# KiCad board element_foxtrot.kicad_pcb (continued)
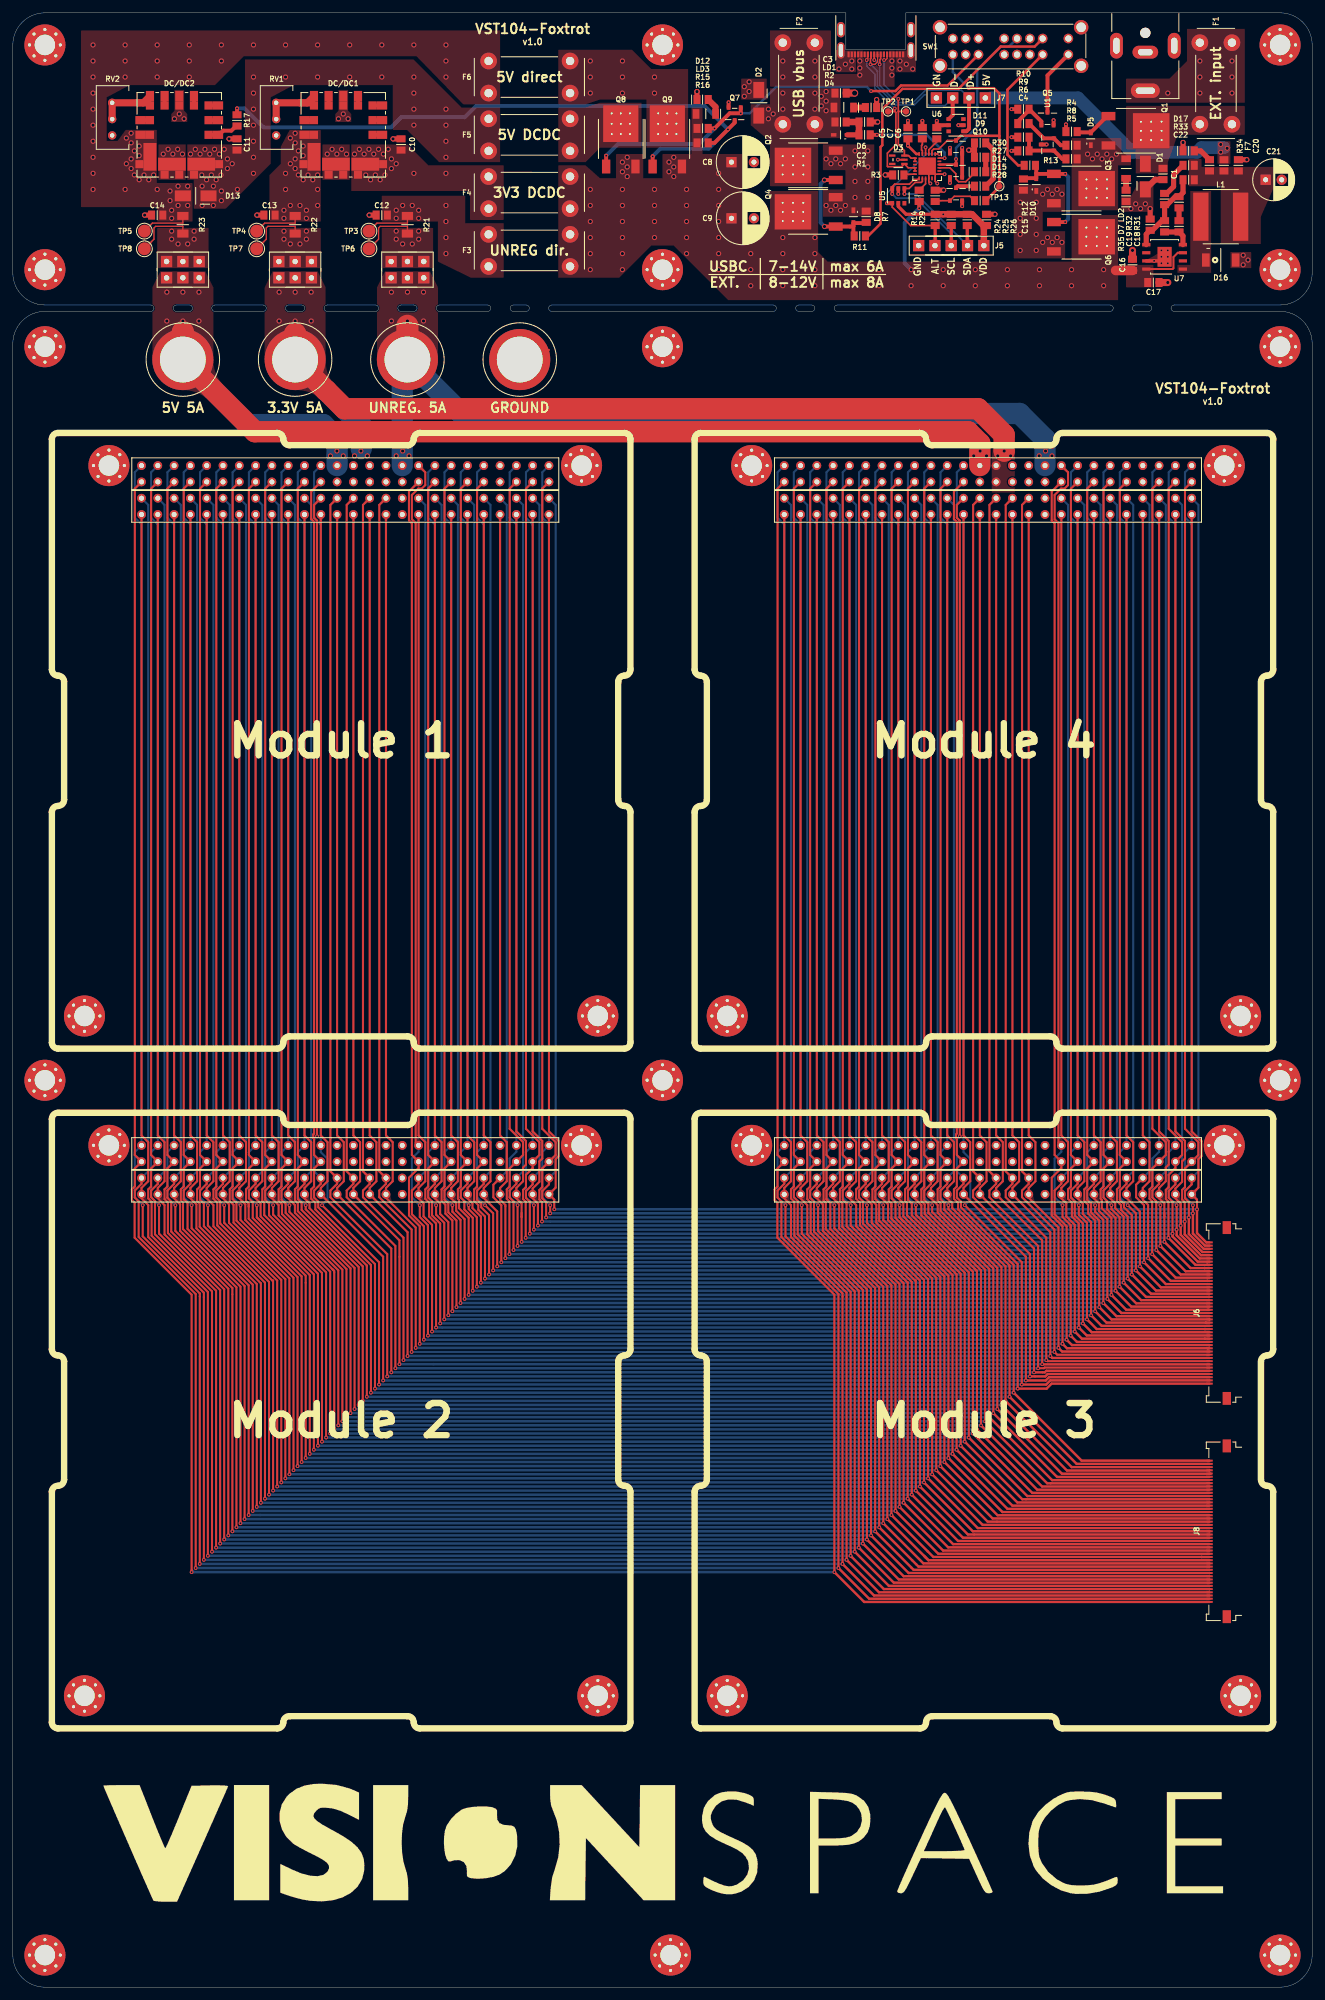
[diagram p0: board, top side]
## Nets (continued)
/H1-31: J6.11 Module 1.H1_31 Module 2.H1_31 Module 3.H1_31 Module 4.H1_31
/H1-32: J6.10 Module 1.H1_32 Module 2.H1_32 Module 3.H1_32 Module 4.H1_32
/H1-35: J6.15 Module 1.H1_35 Module 2.H1_35 Module 3.H1_35 Module 4.H1_35
/H1-36: J6.13 Module 1.H1_36 Module 2.H1_36 Module 3.H1_36 Module 4.H1_36
/H1-37: J6.19 Module 1.H1_37 Module 2.H1_37 Module 3.H1_37 Module 4.H1_37
/H1-38: J6.17 Module 1.H1_38 Module 2.H1_38 Module 3.H1_38 Module 4.H1_38
/H1-39: J6.23 Module 1.H1_39 Module 2.H1_39 Module 3.H1_39 Module 4.H1_39
/H1-40: J6.21 Module 1.H1_40 Module 2.H1_40 Module 3.H1_40 Module 4.H1_40
/H1-41: J6.27 Module 1.H1_41 Module 2.H1_41 Module 3.H1_41 Module 4.H1_41
/H1-42: J6.25 Module 1.H1_42 Module 2.H1_42 Module 3.H1_42 Module 4.H1_42
/H1-43: J6.31 Module 1.H1_43 Module 2.H1_43 Module 3.H1_43 Module 4.H1_43
/H1-44: J6.29 Module 1.H1_44 Module 2.H1_44 Module 3.H1_44 Module 4.H1_44
/H1-45: J6.33 Module 1.H1_45 Module 2.H1_45 Module 3.H1_45 Module 4.H1_45
/H1-46: J6.32 Module 1.H1_46 Module 2.H1_46 Module 3.H1_46 Module 4.H1_46
/H1-47: J6.37 Module 1.H1_47 Module 2.H1_47 Module 3.H1_47 Module 4.H1_47
/H1-48: J6.35 Module 1.H1_48 Module 2.H1_48 Module 3.H1_48 Module 4.H1_48
/H1-49: J6.41 Module 1.H1_49 Module 2.H1_49 Module 3.H1_49 Module 4.H1_49
/H1-50: J6.39 Module 1.H1_50 Module 2.H1_50 Module 3.H1_50 Module 4.H1_50
/H1-51: J6.45 Module 1.H1_51 Module 2.H1_51 Module 3.H1_51 Module 4.H1_51
/H1-52: J6.43 Module 1.H1_52 Module 2.H1_52 Module 3.H1_52 Module 4.H1_52
/H2-1: J8.1 Module 1.H2_1 Module 2.H2_1 Module 3.H2_1 Module 4.H2_1
/H2-2: J8.3 Module 1.H2_2 Module 2.H2_2 Module 3.H2_2 Module 4.H2_2
/H2-3: J8.5 Module 1.H2_3 Module 2.H2_3 Module 3.H2_3 Module 4.H2_3
/H2-4: J8.7 Module 1.H2_4 Module 2.H2_4 Module 3.H2_4 Module 4.H2_4
/H2-5: J8.9 Module 1.H2_5 Module 2.H2_5 Module 3.H2_5 Module 4.H2_5
/H2-6: J8.11 Module 1.H2_6 Module 2.H2_6 Module 3.H2_6 Module 4.H2_6
/H2-7: J8.13 Module 1.H2_7 Module 2.H2_7 Module 3.H2_7 Module 4.H2_7
/H2-8: J8.15 Module 1.H2_8 Module 2.H2_8 Module 3.H2_8 Module 4.H2_8
/H2-9: J8.17 Module 1.H2_9 Module 2.H2_9 Module 3.H2_9 Module 4.H2_9
/H2-10: J8.19 Module 1.H2_10 Module 2.H2_10 Module 3.H2_10 Module 4.H2_10
/H2-11: J8.21 Module 1.H2_11 Module 2.H2_11 Module 3.H2_11 Module 4.H2_11
/H2-12: J8.23 Module 1.H2_12 Module 2.H2_12 Module 3.H2_12 Module 4.H2_12
/H2-13: J8.25 Module 1.H2_13 Module 2.H2_13 Module 3.H2_13 Module 4.H2_13
/H2-14: J8.27 Module 1.H2_14 Module 2.H2_14 Module 3.H2_14 Module 4.H2_14
/H2-15: J8.29 Module 1.H2_15 Module 2.H2_15 Module 3.H2_15 Module 4.H2_15
/H2-16: J8.31 Module 1.H2_16 Module 2.H2_16 Module 3.H2_16 Module 4.H2_16
/H2-17: J8.33 Module 1.H2_17 Module 2.H2_17 Module 3.H2_17 Module 4.H2_17
/H2-18: J8.35 Module 1.H2_18 Module 2.H2_18 Module 3.H2_18 Module 4.H2_18
/H2-19: J8.37 Module 1.H2_19 Module 2.H2_19 Module 3.H2_19 Module 4.H2_19
/H2-20: J8.39 Module 1.H2_20 Module 2.H2_20 Module 3.H2_20 Module 4.H2_20
/H2-21: J8.41 Module 1.H2_21 Module 2.H2_21 Module 3.H2_21 Module 4.H2_21
/H2-22: J8.43 Module 1.H2_22 Module 2.H2_22 Module 3.H2_22 Module 4.H2_22
/H2-23: J8.45 Module 1.H2_23 Module 2.H2_23 Module 3.H2_23 Module 4.H2_23
/H2-24: J6.2 Module 1.H2_24 Module 2.H2_24 Module 3.H2_24 Module 4.H2_24
/H2-35: J6.12 Module 1.H2_35 Module 2.H2_35 Module 3.H2_35 Module 4.H2_35
/H2-36: J6.14 Module 1.H2_36 Module 2.H2_36 Module 3.H2_36 Module 4.H2_36
/H2-37: J6.16 Module 1.H2_37 Module 2.H2_37 Module 3.H2_37 Module 4.H2_37
/H2-38: J6.18 Module 1.H2_38 Module 2.H2_38 Module 3.H2_38 Module 4.H2_38
/H2-39: J6.20 Module 1.H2_39 Module 2.H2_39 Module 3.H2_39 Module 4.H2_39
/H2-40: J6.22 Module 1.H2_40 Module 2.H2_40 Module 3.H2_40 Module 4.H2_40
/H2-41: J6.24 Module 1.H2_41 Module 2.H2_41 Module 3.H2_41 Module 4.H2_41
/H2-42: J6.26 Module 1.H2_42 Module 2.H2_42 Module 3.H2_42 Module 4.H2_42
/H2-43: J6.28 Module 1.H2_43 Module 2.H2_43 Module 3.H2_43 Module 4.H2_43
/H2-44: J6.30 Module 1.H2_44 Module 2.H2_44 Module 3.H2_44 Module 4.H2_44
/H2-47: J6.34 Module 1.H2_47 Module 2.H2_47 Module 3.H2_47 Module 4.H2_47
/H2-48: J6.36 Module 1.H2_48 Module 2.H2_48 Module 3.H2_48 Module 4.H2_48
/H2-49: J6.38 Module 1.H2_49 Module 2.H2_49 Module 3.H2_49 Module 4.H2_49
/H2-50: J6.40 Module 1.H2_50 Module 2.H2_50 Module 3.H2_50 Module 4.H2_50
/H2-51: J6.42 Module 1.H2_51 Module 2.H2_51 Module 3.H2_51 Module 4.H2_51
/H2-52: J6.44 Module 1.H2_52 Module 2.H2_52 Module 3.H2_52 Module 4.H2_52
/PDO2: D11.3 R28.2 SW1.16 TP13.1 U2.20
/RST: R3.2 U2.6
/SCL: J5.3 R25.2 U2.7 U5.3
/SDA: J5.2 R26.2 U2.8 U5.1
/SUP_3V3: J3.2 J3.4 J3.6 Module 1.H2_27 Module 1.H2_28 Module 2.H2_27 Module 2.H2_28 Module 3.H2_27 Module 3.H2_28 Module 4.H2_27 Module 4.H2_28 TP11.1
/SUP_5V: J4.2 J4.4 J4.6 Module 1.H2_25 Module 1.H2_26 Module 2.H2_25 Module 2.H2_26 Module 3.H2_25 Module 3.H2_26 Module 4.H2_25 Module 4.H2_26 TP10.1
/SUP_BAT_1: Module 1.H2_45 Module 2.H2_45 Module 3.H2_45 Module 4.H2_45
/SUP_BAT_2: Module 1.H2_46 Module 2.H2_46 Module 3.H2_46 Module 4.H2_46
/SUP_UNREG: J2.2 J2.4 J2.6 Module 1.H2_33 Module 1.H2_34 Module 2.H2_33 Module 2.H2_34 Module 3.H2_33 Module 3.H2_34 Module 4.H2_33 Module 4.H2_34 TP9.1
/USB_N: J7.3 P1.A7 P1.B7 U6.1
/USB_P: J7.2 P1.A6 P1.B6 U6.4
/VOUT_3V3: C13.1 DC/DC1.4 DC/DC1.5 R22.2 TP4.1
/VOUT_5V: C14.1 D13.2 DC/DC2.4 DC/DC2.5 F6.1 R23.2 TP5.1
/VOUT_UNREG: C12.1 F3.1 R21.2 TP3.1
/VSINK: C8.1 C9.1 C16.1 C17.1 F3.2 F4.2 LD3.2 Q4.3 Q6.3 Q8.2 Q9.2 R14.2 R15.1 R16.1 U7.3 U7.8
Net-(C1-Pad2): C1.2 D1.2 F1.1 Q1.3
Net-(C2-Pad2): C2.2 D4.1 R1.1 R2.2
Net-(C4-Pad1): C4.1 R5.2 R6.1 U1.1
Net-(C5-Pad2): C5.2 D8.1 D9.2 D11.2 Q2.2 Q4.2 R7.1 U2.24
Net-(C6-Pad2): C6.2 U2.21
Net-(C7-Pad2): C7.2 U2.23
Net-(C10-Pad1): C10.1 DC/DC1.2 F4.1
Net-(C11-Pad1): C11.1 D13.1 DC/DC2.2 F5.1
Net-(C18-Pad1): C18.1 C19.1 U7.4
Net-(C18-Pad2): C18.2 R31.2
Net-(C19-Pad2): C19.2 R31.1 R32.1 R33.1 R35.2 U7.5
Net-(C20-Pad1): C20.1 C21.1 C22.1 F7.2 L1.2 R33.2 R34.1
Net-(C22-Pad2): C22.2 R32.2
Net-(D5-Pad1): D5.1 LD2.2 Q1.2 Q3.3 R5.1 R8.1
Net-(D5-Pad2): D5.2 Q1.1 R4.1
Net-(D6-Pad2): D6.2 LD1.1
Net-(D7-Pad2): D7.2 LD2.1
Net-(D8-Pad2): D8.2 Q2.1 Q4.1 R7.2 R11.1
Net-(D9-Pad3): D9.3 SW1.4 U2.16
Net-(D10-Pad1): D10.1 Q3.2 Q6.2 R12.1
Net-(D10-Pad2): D10.2 Q3.1 Q6.1 R12.2 R13.1
Net-(D12-Pad2): D12.2 LD3.1
Net-(D14-Pad2): D14.2 R27.2
Net-(D15-Pad1): D15.1 Q10.3
Net-(D15-Pad2): D15.2 R30.2
Net-(D16-Pad1): D16.1 L1.1 U7.1
Net-(D17-Pad2): D17.2 R34.2
Net-(DC/DC1-Pad1): DC/DC1.1
Net-(DC/DC1-Pad6): DC/DC1.6 RV1.2 RV1.3
Net-(DC/DC1-Pad8): DC/DC1.8
Net-(DC/DC1-Pad9): DC/DC1.9
Net-(DC/DC1-Pad10): DC/DC1.10
Net-(DC/DC1-Pad11): DC/DC1.11
Net-(DC/DC1-Pad12): DC/DC1.12
Net-(DC/DC2-Pad1): DC/DC2.1 R17.1
Net-(DC/DC2-Pad6): DC/DC2.6 RV2.2 RV2.3
Net-(DC/DC2-Pad8): DC/DC2.8
Net-(DC/DC2-Pad9): DC/DC2.9
Net-(DC/DC2-Pad10): DC/DC2.10
Net-(DC/DC2-Pad11): DC/DC2.11
Net-(DC/DC2-Pad12): DC/DC2.12
Net-(F1-Pad2): F1.2 J1.1
Net-(F2-Pad2): F2.2 P1.A4 P1.A9 P1.B4 P1.B9
Net-(F5-Pad2): F5.2 Q8.3
Net-(F6-Pad2): F6.2 Q9.3
Net-(H1-Pad1): H1.1
Net-(H2-Pad1): H2.1
Net-(H3-Pad1): H3.1
Net-(H4-Pad1): H4.1
Net-(H5-Pad1): H5.1
Net-(H6-Pad1): H6.1
Net-(H7-Pad1): H7.1
Net-(H8-Pad1): H8.1
Net-(H9-Pad1): H9.1
Net-(H10-Pad1): H10.1
Net-(H11-Pad1): H11.1
Net-(H12-Pad1): H12.1
Net-(H13-Pad1): H13.1
Net-(H14-Pad1): H14.1
Net-(H15-Pad1): H15.1
Net-(J2-Pad1): J2.1 J2.3 J2.5 R21.1 TP6.1
Net-(J3-Pad1): J3.1 J3.3 J3.5 R22.1 TP7.1
Net-(J4-Pad1): J4.1 J4.3 J4.5 R23.1 TP8.1
Net-(Module_1-PadMH1): Module 4.MH1
Net-(Module_1-PadMH2): Module 4.MH2
Net-(Module_1-PadMH3): Module 4.MH3
Net-(Module_1-PadMH4): Module 4.MH4
Net-(Module_2-PadMH1): Module 1.MH1
Net-(Module_2-PadMH2): Module 1.MH2
Net-(Module_2-PadMH3): Module 1.MH3
Net-(Module_2-PadMH4): Module 1.MH4
Net-(Module_3-PadMH1): Module 2.MH1
Net-(Module_3-PadMH2): Module 2.MH2
Net-(Module_3-PadMH3): Module 2.MH3
Net-(Module_3-PadMH4): Module 2.MH4
Net-(Module_4-PadMH1): Module 3.MH1
Net-(Module_4-PadMH2): Module 3.MH2
Net-(Module_4-PadMH3): Module 3.MH3
Net-(Module_4-PadMH4): Module 3.MH4
Net-(Q5-Pad1): Q5.1 R9.2 R10.1
Net-(Q5-Pad3): Q5.3 SW1.9
Net-(Q7-Pad1): Q7.1 Q8.1 R15.2 SW1.14
Net-(Q7-Pad3): Q7.3 Q9.1 R16.2 R17.2
Net-(Q10-Pad1): Q10.1 R28.1 R29.1
Net-(R1-Pad2): R1.2 U2.18
Net-(R8-Pad2): R8.2 R9.1 U1.2
Net-(R11-Pad2): R11.2 SW1.2
Net-(R13-Pad2): R13.2 SW1.10
Net-(R14-Pad1): R14.1 U2.9

Pads without a net: D3 4 5; J6 MP; J8 MP; P1 A8 B8; SW1 1 3 5 6 7 8 11 12 MP; U2 3 11 14 17; U5 6; U6 3 6; U7 2 6

## Via types
v1: diameter 0.6, hole 0.3, Top to Bottom, 277 vias
v2: diameter 0.8, hole 0.5, Top to Bottom, 419 vias
v3: diameter 1.1, hole 0.8, Top to Bottom, 1 via

## Routing (per net, layer and track width the routed paths; a pad name or vN(x,y) marks a point on that pad's centre or on a via; arc(x,y) is an arc through that point)
+5V: length 57.2
  Top w0.6: U6.5 v1(147.36,290)
  Top w0.8: R27.1 149.88,286.15 ; 149.88,286.15 R30.1 ; 149.88,286.15 149.84,286.12 v2(148.98,286.12)
  In1.Cu w0.6: 149.07,290 v1(147.36,290) 148.73,290
  In1.Cu w0.8: v2(148.98,286.12) 148.98,290.25 151.56,292.83 J7.1
  Bottom w1.5: J7.1 152.45,294.25
  Bottom w2: 152.45,294.25 166,294.25 174.47,285.78 184.53,285.78 185.25,286.5 188.75,286.5
  vias: v2(188.25,287) v2(188.25,285.8) v2(189.25,286.4)
GND: length 65.5
  Top w0.25: 143.75,282.37 U2.13 v1(145.21,282.37) ; 143.75,282.37 U2.12 143.75,281.25 v1(144.07,280.93) ; 143.75,282.37 U2.25 142.75,283.37 U2.10 142.75,281.18 v1(143,280.93)
  Top w0.3: v1(137.94,284.63) 137.95,284.62 D3.2
  Top w0.323: 81,255 79.96,253.96 ; 83.55,255 82.5,253.96 ; 79.51,256.05 81,257.54 79.51,256.05 ; 78.47,257.54 76.97,256.05 78.47,257.54
  Top w0.396: U7.7 v1(177.87,268.87) 178.63,268.87 v1(179,268.5)
  Top w0.5: U7.25 178.87,268.87 U7.7 ; U5.2 v1(138,279.29)
  Top w0.6: U6.2 144.38,290 C6.1 v1(144,290.68) ; v1(164.13,290.13) 164.13,289 R4.2 ; v1(155.64,288.13) R6.2 ; R10.2 v1(155.64,292.5) ; Q5.2 v1(162.2,290.78) ; D9.1 v1(146.05,281.01) ; U1.3 v1(161.11,287) ; C7.1 v1(141.75,290.68) ; Q7.2 v1(111.55,293.56) ; D11.1 v1(146.05,286.48) ; v1(155.64,286.01) 156.62,286.01 C4.2 ; C5.1 v1(139.5,290.69) ; 106.63,294 D12.1 ; v1(147.95,277.39) Q10.2
  Top w0.8: v2(33.7,287.87) 34.94,287.87 C11.2 ; R35.1 v2(177.25,277) ; v2(145.06,279.88) 143.75,279.88 R29.2 ; v2(59.26,287.87) 60.5,287.87 C10.2 ; D12.1 106.62,295.24 v2(106.63,295.24) ; C15.2 151.75,276.13 v2(153.06,276.13) ; C13.2 v2(38.04,276) ; v2(135.96,282.26) 137.12,282.26 R3.1 ; C12.2 v2(55.54,276) ; v2(20.54,276) C14.2 ; D17.1 182.38,286 v2(182.38,287.31) ; v2(134.78,290.5) C2.1 ; v2(192.31,284.63) 191,284.63 C20.2 ; v2(134.62,293.99) 134.62,292.75 D6.1
  Top w0.92: 179,281.52 178.03,281.52 D1.1
  Top w1.1: C16.2 v2(174.5,270.5) ; C17.2 v2(180,265.5) ; v3(131.19,295) C3.1
  vias: v1(179,270.5) v1(179,269.5) v1(180,270.5) v1(180,269.5) v1(180,268.5) v2(23.44,285.5) v2(24.19,286.25) v2(24.94,285.5) v2(25.19,291) v2(25.69,286.25) v2(25.94,291.75) v2(26.44,285.5) v2(26.69,291) v2(49,285.5) v2(49.75,286.25) v2(50.5,285.5) v2(50.75,291) v2(51.25,286.25) v2(51.5,291.75) v2(52,285.5) v2(52.25,291) v2(114,296) v2(114,294.5) v2(114.75,296.75) v2(114.75,295.25) v2(128.75,298.75) v2(129.75,299.5) v2(130.75,300) v2(130.75,298.75) v2(138.25,300) v2(138.25,298.75) v2(139.25,299.5) v2(140.25,298.75) v2(174.25,277) v2(175,277.75) v2(175.75,277) v2(176.5,277.75) v2(191.75,269.75) v2(191.75,268.25) v2(192.5,269)
VBUS:
  vias: v2(117.75,292.5) v2(117.75,291) v2(118.5,291.75) v2(120,295) v2(120,292.5) v2(125,295) v2(125,292.5) v2(126,294.5) v2(126,293) v2(126.75,295.25) v2(126.75,293.75) v2(126.75,292.25)
VDD: length 31.4
  Top w0.25: U2.22 v1(142.25,286.55)
  Top w0.5: U5.5 138,277.34 139.21,276.12 R24.1
  Top w1: R24.1 v1(145,276.12) R25.1 R26.1 149.51,276.12 151.26,274.38 C15.1 151.33,273.95 J5.1
  In1.Cu w0.6: v1(142.25,286.55) 142.17,286.47 142.17,278.96 v1(145,276.12)
/ALTER: length 25.3
  Top w0.25: U2.19 v1(144.38,285.52) ; R24.2 139.93,274.38 137.05,277.25 U5.4
  Top w0.5: R24.2 143.75,271.29 J5.4
  Top w0.6: U5.4 v1(136.24,277.85)
  Bottom w0.25: v1(144.38,285.52) 142.35,285.52 136.24,279.41 v1(136.24,277.85)
/CC1: length 20.9
  Top w0.2: v1(135.78,300.15) 136.02,300.15 136.25,300.38 P1.A5
  Top w0.25: TP1.1 138,292.15 ; 138,292.15 v1(138,294.09) ; 138,292.15 138,286.98 138.95,286.03 D3.3 139.59,285.27 139.99,284.87 U2.1 U2.2
  Bottom w0.25: v1(135.78,300.15) 135.78,296.31 v1(138,294.09)
/CC2: length 26.8
  Top w0.2: v1(133.07,300.15) 133.25,300.33 P1.B5
  Top w0.25: 137.45,292.16 137.62,291.98 137.62,286.97 136.3,285.65 136.3,283.59 136.35,283.54 138.52,283.54 D3.1 139.55,283.37 U2.4 U2.5 ; 137.45,292.16 137.44,292.15 TP2.1 137,292.15 ; 137.45,292.16 v1(137.45,292.6)
  Bottom w0.25: v1(133.07,300.15) 133.07,299.24 134.35,297.97 134.35,295.7 v1(137.45,292.6)
/GPIO: length 7.6
  Top w0.25: U2.15 146.04,283.37 146.96,282.45 146.96,281.64 147.41,281.19 148.51,281.19 149.88,282.56 D14.1
/H1-1: length 493
  Top w0.323: 120.22,229.37 120.22,132.65 121.27,131.61 121.27,125.52 120.22,124.48 Module 3.H1_1 ; 120.22,122.86 121.27,121.81 121.27,116.83 129.94,108.16 v1(129.94,66.55) ; Module 2.H1_1 20.05,124.48 21.1,125.52 21.1,131.61 20.05,132.65 20.05,229.37 ; v1(29.77,66.55) 29.77,108.16 21.1,116.83 21.1,121.81 20.05,122.86
  Top w0.37: v1(129.94,66.55) 134.99,61.5 J8.4
  Bottom w0.396: v1(129.94,66.55) v1(29.77,66.55)
/H1-2: length 503.7
  Top w0.323: Module 3.H1_2 120.22,125.12 119.18,124.07 119.18,122.98 119.78,122.38 119.78,116.84 128.67,107.95 v1(128.67,65.28) ; Module 2.H1_2 20.05,125.12 19.01,124.07 19.01,122.98 19.61,122.38 19.61,116.84 28.5,107.95 v1(28.5,65.28)
  Top w0.37: v1(128.67,65.28) 133.45,60.5 J8.2
  Bottom w0.323: Module 2.H1_2 21.1,127.07 21.1,230.86 Module 1.H1_2 ; Module 4.H1_2 121.27,230.86 121.27,127.07 Module 3.H1_2
  Bottom w0.396: v1(128.67,65.28) v1(28.5,65.28)
/H1-3: length 485.6
  Top w0.323: v1(32.31,69.09) 32.31,108.58 23.64,117.24 23.64,121.81 22.59,122.86 ; 122.76,122.86 123.81,121.81 123.81,117.24 132.48,108.58 v1(132.48,69.09) ; 122.76,229.37 122.76,132.65 123.81,131.61 123.81,125.52 122.76,124.48 Module 3.H1_3 ; 22.59,229.37 22.59,132.65 23.64,131.61 23.64,125.52 22.59,124.48 Module 2.H1_3
  Top w0.37: v1(132.48,69.09) 138.07,63.5 J8.8
  Bottom w0.396: v1(132.48,69.09) v1(32.31,69.09)
/H1-4: length 496.3
  Top w0.323: v1(131.21,67.82) 131.21,108.37 122.32,117.26 122.32,122.43 121.72,123.03 121.72,124.07 122.76,125.12 Module 3.H1_4 ; Module 2.H1_4 22.59,125.12 21.55,124.07 21.55,123.03 22.15,122.43 22.15,117.26 31.04,108.37 v1(31.04,67.82)
  Top w0.37: v1(131.21,67.82) 136.53,62.5 J8.6
  Bottom w0.323: Module 2.H1_4 23.64,127.07 23.64,230.86 Module 1.H1_4 ; Module 4.H1_4 123.81,230.86 123.81,127.07 Module 3.H1_4
  Bottom w0.396: v1(131.21,67.82) v1(31.04,67.82)
/H1-5: length 478.2
  Top w0.323: v1(34.85,71.63) 34.85,109 26.07,117.78 26.07,121.92 25.13,122.86 ; 125.31,122.86 126.24,121.92 126.24,117.78 135.02,109 v1(135.02,71.63) ; 125.31,229.37 125.31,132.65 126.35,131.61 126.35,125.52 125.31,124.48 Module 3.H1_5 ; 25.13,229.37 25.13,132.65 26.18,131.61 26.18,125.52 25.13,124.48 Module 2.H1_5
  Top w0.37: v1(135.02,71.63) 141.15,65.5 J8.12
  Bottom w0.396: v1(135.02,71.63) v1(34.85,71.63)
/H1-6: length 488.9
  Top w0.323: Module 3.H1_6 125.31,125.12 124.26,124.07 124.26,122.93 124.86,122.33 124.86,117.68 133.75,108.79 v1(133.75,70.36) ; v1(33.58,70.36) 33.58,108.79 24.69,117.68 24.69,122.33 24.09,122.93 24.09,124.07 25.13,125.12 Module 2.H1_6
  Top w0.37: v1(133.75,70.36) 139.61,64.5 186.5,64.5 J8.10
  Bottom w0.323: Module 2.H1_6 26.18,127.07 26.18,230.86 Module 1.H1_6 ; Module 4.H1_6 126.35,230.86 126.35,127.07 Module 3.H1_6
  Bottom w0.396: v1(33.58,70.36) v1(133.75,70.36)
/H1-7: length 470.8
  Top w0.323: 27.67,122.86 28.61,121.92 28.61,118.19 37.39,109.42 v1(37.39,74.17) ; v1(137.56,74.17) 137.56,109.42 128.78,118.19 128.78,121.92 127.84,122.86 ; 127.84,229.37 127.84,132.65 128.89,131.61 128.89,125.52 127.84,124.48 Module 3.H1_7 ; Module 2.H1_7 27.67,124.48 28.72,125.52 28.72,131.61 27.67,132.65 27.67,229.37
  Top w0.37: v1(137.56,74.17) 144.23,67.5 J8.16
  Bottom w0.396: v1(137.56,74.17) v1(37.39,74.17)
/H1-8: length 483.1
  Top w0.323: 26.86,122.5 27.23,122.13 27.23,118.1 36.12,109.21 v1(36.12,72.9) ; 26.86,122.5 26.63,122.73 ; 26.86,122.5 26.63,122.73 26.63,124.07 27.67,125.12 Module 2.H1_8 ; v1(136.29,72.9) 136.29,109.21 127.4,118.1 127.4,122.13 127.03,122.5 ; 126.8,122.73 127.03,122.5 ; 127.03,122.5 126.8,122.73 126.8,124.07 127.84,125.12 Module 3.H1_8
  Top w0.37: 142.69,66.5 142.04,67.15 ; 142.69,66.5 142.04,67.15 ; 142.69,66.5 J8.14 ; v1(136.29,72.9) 142.04,67.15
  Bottom w0.323: Module 2.H1_8 28.72,127.07 28.72,230.86 Module 1.H1_8 ; Module 4.H1_8 128.89,230.86 128.89,127.07 Module 3.H1_8
  Bottom w0.396: v1(136.29,72.9) v1(36.12,72.9)
/H1-9: length 463.4
  Top w0.323: v1(39.93,76.71) 39.93,109.84 31.26,118.51 31.26,121.81 30.22,122.86 ; 130.38,122.86 131.43,121.81 131.43,118.51 140.1,109.84 v1(140.1,76.71) ; 130.38,229.37 130.38,132.65 131.43,131.61 131.43,125.52 130.38,124.48 Module 3.H1_9 ; Module 2.H1_9 30.22,124.48 31.26,125.52 31.26,131.61 30.22,132.65 30.22,229.37
  Top w0.37: v1(140.1,76.71) 147.31,69.5 J8.20
  Bottom w0.396: v1(140.1,76.71) v1(39.93,76.71)
/H1-10: length 474.1
  Top w0.323: Module 3.H1_10 130.38,125.12 129.34,124.07 129.34,122.63 129.94,122.03 129.94,118.52 138.83,109.63 v1(138.83,75.44) ; Module 2.H1_10 30.22,125.12 29.17,124.07 29.17,122.63 29.77,122.03 29.77,118.52 38.66,109.63 v1(38.66,75.44)
  Top w0.37: J8.18 145.77,68.5 v1(138.83,75.44)
  Bottom w0.323: Module 1.H1_10 31.26,230.86 31.26,127.07 Module 2.H1_10 ; Module 3.H1_10 131.43,127.07 131.43,230.86 Module 4.H1_10
  Bottom w0.396: v1(138.83,75.44) v1(38.66,75.44)
/H1-11: length 456
  Top w0.323: 32.76,122.86 33.69,121.92 33.69,119.04 42.47,110.26 v1(42.47,79.25) ; v1(142.64,79.25) 142.64,110.26 133.86,119.04 133.86,121.92 132.93,122.86 ; 132.93,229.37 132.93,132.65 133.97,131.61 133.97,125.52 132.93,124.48 Module 3.H1_11 ; 32.76,229.37 32.76,132.65 33.8,131.61 33.8,125.52 32.76,124.48 Module 2.H1_11
  Top w0.37: v1(142.64,79.25) 150.39,71.5 J8.24
  Bottom w0.396: v1(142.64,79.25) v1(42.47,79.25)
/H1-12: length 467.3
  Top w0.323: v1(141.37,77.98) 141.37,110.05 132.48,118.94 132.48,122.38 131.88,122.98 131.88,124.07 132.93,125.12 Module 3.H1_12 ; v1(41.2,77.98) 41.2,110.05 32.31,118.94 32.31,122.38 31.71,122.98 31.71,124.07 32.76,125.12 Module 2.H1_12
  Top w0.37: J8.22 148.85,70.5 v1(141.37,77.98)
  Top w0.396: 132.93,125.41 Module 3.H1_12
  Bottom w0.323: Module 2.H1_12 33.8,127.07 33.8,230.86 Module 1.H1_12 ; Module 4.H1_12 133.97,230.86 133.97,127.07 Module 3.H1_12
  Bottom w0.396: v1(141.37,77.98) v1(41.2,77.98)
/H1-13: length 448.6
  Top w0.323: 35.3,122.86 36.23,121.92 36.23,119.48 45.01,110.7 v1(45.01,81.79) ; v1(145.18,81.79) 145.18,110.7 136.4,119.48 136.4,121.92 135.47,122.86 ; 135.47,229.37 135.47,132.65 136.51,131.61 136.51,125.52 135.47,124.48 Module 3.H1_13 ; 35.3,229.37 35.3,132.65 36.34,131.61 36.34,125.52 35.3,124.48 Module 2.H1_13
  Top w0.37: v1(145.18,81.79) 153.47,73.5 J8.28
  Bottom w0.396: v1(45.01,81.79) v1(145.18,81.79)
/H1-14: length 459.3
  Top w0.323: v1(143.91,80.52) 143.91,110.49 135.02,119.38 135.02,122.14 134.42,122.74 134.42,124.07 135.47,125.12 Module 3.H1_14 ; Module 2.H1_14 35.3,125.12 34.25,124.07 34.25,122.74 34.85,122.14 34.85,119.38 43.74,110.49 v1(43.74,80.52)
  Top w0.37: v1(143.91,80.52) 151.93,72.5 J8.26
  Bottom w0.323: Module 2.H1_14 36.34,127.07 36.34,230.86 Module 1.H1_14 ; Module 4.H1_14 136.51,230.86 136.51,127.07 Module 3.H1_14
  Bottom w0.396: v1(143.91,80.52) v1(43.74,80.52)
/H1-15: length 441.2
  Top w0.323: 37.84,122.86 38.61,122.08 38.61,120.06 47.55,111.12 v1(47.55,84.33) ; v1(147.72,84.33) 147.72,111.12 138.78,120.06 138.78,122.08 138,122.86 ; 138,229.37 138,132.65 139.05,131.61 139.05,125.52 138,124.48 Module 3.H1_15 ; 37.84,229.37 37.84,132.65 38.88,131.61 38.88,125.52 37.84,124.48 Module 2.H1_15
  Top w0.37: 186.5,75.49 156.56,75.49 v1(147.72,84.33)
  Bottom w0.396: v1(147.72,84.33) v1(47.55,84.33)
/H1-16: length 451.9
  Top w0.323: Module 3.H1_16 138,125.12 136.96,124.07 136.96,122.85 137.56,122.25 137.56,119.8 146.45,110.91 v1(146.45,83.06) ; v1(46.28,83.06) 46.28,110.91 37.39,119.8 37.39,122.25 36.79,122.85 36.79,124.07 37.84,125.12 Module 2.H1_16
  Top w0.37: 186.5,74.5 155.01,74.5 v1(146.45,83.06)
  Bottom w0.323: Module 1.H1_16 38.88,230.86 38.88,127.07 Module 2.H1_16 ; Module 3.H1_16 139.05,127.07 139.05,230.86 Module 4.H1_16
  Bottom w0.396: v1(146.45,83.06) v1(46.28,83.06)
/H1-17: length 434.3
  Top w0.323: 40.38,122.86 41.42,121.81 41.42,120.2 49.83,111.79 ; 140.54,122.86 141.59,121.81 141.59,120.2 150,111.79 ; v1(150.26,86.87) 150.26,111.54 150,111.79 ; 150,111.79 150.16,111.63 ; Module 3.H1_17 140.54,124.48 141.59,125.52 141.59,131.61 140.54,132.65 140.54,229.37 ; Module 2.H1_17 40.38,124.48 41.42,125.52 41.42,131.61 40.38,132.65 40.38,229.37 ; 49.83,111.79 49.99,111.63 ; 49.83,111.79 50.09,111.54 v1(50.09,86.87)
  Top w0.37: v1(150.26,86.87) 159.65,77.48 186.5,77.48
  Bottom w0.396: v1(150.26,86.87) v1(50.09,86.87)
/H1-18: length 444.5
  Top w0.323: Module 3.H1_18 140.54,125.12 139.5,124.07 139.5,122.63 140.1,122.03 140.1,120.22 148.99,111.33 v1(148.99,85.6) ; Module 2.H1_18 40.38,125.12 39.33,124.07 39.33,122.63 39.93,122.03 39.93,120.22 48.82,111.33 v1(48.82,85.6)
  Top w0.37: 186.5,76.49 158.1,76.49 v1(148.99,85.6)
  Bottom w0.323: Module 2.H1_18 41.42,127.07 41.42,230.86 Module 1.H1_18 ; Module 4.H1_18 141.59,230.86 141.59,127.07 Module 3.H1_18
  Bottom w0.396: v1(148.99,85.6) v1(48.82,85.6)
/H1-19: length 426.4
  Top w0.323: 42.92,122.86 43.96,121.81 43.96,120.62 52.63,111.96 v1(52.63,89.41) ; v1(152.8,89.41) 152.8,111.96 144.13,120.62 144.13,121.81 143.09,122.86 ; Module 3.H1_19 143.09,124.48 144.13,125.52 144.13,131.61 143.09,132.65 143.09,229.37 ; 42.92,123.49 42.92,124.48 43.96,125.52 43.96,131.61 42.92,132.65 42.92,229.37
  Top w0.37: 186.5,79.47 162.74,79.47 v1(152.8,89.41)
  Bottom w0.396: v1(152.8,89.41) v1(52.63,89.41)
/H1-20: length 437.1
  Top w0.323: Module 3.H1_20 143.09,125.12 142.04,124.07 142.04,122.63 142.69,121.99 142.69,120.59 151.53,111.75 v1(151.53,88.14) ; 42.92,126.03 42.92,125.12 41.87,124.07 41.87,122.63 42.52,121.99 42.52,120.59 51.36,111.75 v1(51.36,88.14)
  Top w0.37: v1(151.53,88.14) 161.2,78.47 186.5,78.47
  Bottom w0.323: 42.92,126.03 43.96,127.07 43.96,230.86 42.92,231.91 ; Module 4.H1_20 144.13,230.86 144.13,127.07 Module 3.H1_20
  Bottom w0.396: v1(151.53,88.14) v1(51.36,88.14)
/H1-21: length 420.3
  Top w0.323: 145.62,229.37 145.62,132.65 146.67,131.61 146.67,125.52 145.62,124.48 Module 3.H1_21 145.62,122.86 146.4,122.08 146.4,121.34 155.34,112.4 v1(155.34,91.95) ; 45.45,229.37 45.45,132.65 46.5,131.61 46.5,125.52 45.45,124.48 Module 2.H1_21 45.45,122.86 46.23,122.08 46.23,121.34 55.17,112.4 v1(55.17,91.95)
  Top w0.37: J8.44 165.79,81.5 v1(155.34,91.95)
  Bottom w0.396: v1(155.34,91.95) v1(55.17,91.95)
/H1-22: length 429.8
  Top w0.323: v1(154.07,90.68) 154.07,112.17 145.18,121.06 145.18,122.14 144.58,122.74 144.58,124.07 145.62,125.12 Module 3.H1_22 ; Module 2.H1_22 45.45,125.12 44.41,124.07 44.41,122.74 45.01,122.14 45.01,121.06 53.9,112.17 v1(53.9,90.68)
  Top w0.37: J8.42 186.46,80.46 164.29,80.46 v1(154.07,90.68)
  Bottom w0.323: Module 2.H1_22 46.5,127.07 46.5,230.86 Module 1.H1_22 ; Module 4.H1_22 146.67,230.86 146.67,127.07 Module 3.H1_22
  Bottom w0.396: v1(154.07,90.68) v1(53.9,90.68)
/H1-23: length 408.5
  Top w0.323: v1(57.71,94.49) 57.71,113.77 Module 2.H1_23 48,124.48 49.04,125.52 49.04,131.61 48,132.65 48,229.37 ; v1(157.88,94.49) 157.88,113.77 Module 3.H1_23 148.16,124.48 149.21,125.52 149.21,131.61 148.16,132.65 148.16,229.37
  Top w0.37: J6.3 161.49,95 160.98,94.49 v1(157.88,94.49)
  Bottom w0.396: v1(157.88,94.49) v1(57.71,94.49)
/H1-24: length 419
  Top w0.323: v1(47.41,132.53) 47.41,228.41 46.95,228.86 46.95,230.86 Module 1.H1_24 ; Module 3.H1_24 148.16,125.12 147.12,124.07 147.12,122.98 147.77,122.34 147.77,121.46 156.61,112.61 v1(156.61,93.22) ; Module 4.H1_24 147.12,230.86 147.12,228.86 147.58,228.41 v1(147.58,132.53) ; Module 2.H1_24 48,125.12 46.95,124.07 46.95,122.98 47.6,122.34 47.6,121.46 56.44,112.61 v1(56.44,93.22)
  Top w0.37: v1(156.61,93.22) 161.11,93.22 161.89,94 J6.1
  Bottom w0.323: v1(47.41,132.53) 46.95,132.07 46.95,127.07 Module 2.H1_24 ; Module 3.H1_24 147.12,127.07 147.12,132.07 v1(147.58,132.53)
  Bottom w0.396: v1(156.61,93.22) v1(56.44,93.22)
/H1-25: length 403.6
  Top w0.323: v1(58.98,95.76) 58.98,115.04 Module 2.H1_25 50.53,124.48 51.58,125.52 51.58,131.61 50.53,132.65 50.53,229.37 ; v1(159.15,95.76) 159.15,115.04 Module 3.H1_25 150.71,124.48 151.75,125.52 151.75,131.61 150.71,132.65 150.71,229.37
  Top w0.37: v1(159.15,95.76) 160.84,95.76 161.08,96 J6.5
  Bottom w0.396: v1(159.15,95.76) v1(58.98,95.76)
/H1-26: length 411.8
  Top w0.323: Module 1.H1_26 49.49,230.86 49.49,127.07 Module 2.H1_26 50.53,125.12 49.49,124.07 49.49,123.03 58.34,114.18 v1(58.34,95.12) ; v1(158.51,95.12) 158.51,114.18 149.66,123.03 149.66,124.07 150.71,125.12 Module 3.H1_26 149.66,127.07 149.66,230.86 Module 4.H1_26
  Top w0.37: v1(158.51,95.12) 160.91,95.12 161.28,95.5 J6.4
  Bottom w0.396: v1(58.34,95.12) v1(158.51,95.12)
/H1-27: length 398.7
  Top w0.323: v1(60.25,97.03) 60.25,116.31 Module 2.H1_27 53.08,124.48 54.12,125.52 54.12,131.61 53.08,132.65 53.08,229.37 ; v1(160.42,97.03) 160.42,116.31 Module 3.H1_27 153.25,124.48 154.29,125.52 154.29,131.61 153.25,132.65 153.25,229.37
  Top w0.37: 160.45,97 v1(160.42,97.03) 160.45,97 ; 160.45,97 J6.7 ; 60.28,97 v1(60.25,97.03)
  Bottom w0.396: v1(160.42,97.03) v1(60.25,97.03)
/H1-28: length 406.8
  Top w0.323: Module 1.H1_28 52.03,230.86 52.03,127.07 Module 2.H1_28 53.08,125.12 52.03,124.07 52.03,123.03 59.61,115.44 v1(59.61,96.4) ; J6.6 160.8,96.5 160.69,96.4 v1(159.78,96.4) 159.78,115.44 152.2,123.03 152.2,124.07 153.25,125.12 Module 3.H1_28 152.2,127.07 152.2,230.86 Module 4.H1_28
  Bottom w0.396: v1(159.78,96.4) v1(59.61,96.4)
/H1-29: length 393.9
  Top w0.323: v1(61.52,98.3) 61.52,117.58 Module 2.H1_29 55.61,124.48 56.66,125.52 56.66,131.61 55.61,132.65 55.61,229.37 ; v1(161.69,98.3) 161.69,117.58 Module 3.H1_29 155.78,124.48 156.83,125.52 156.83,131.61 155.78,132.65 155.78,229.37
  Top w0.37: v1(161.69,98.3) 161.99,98 J6.9
  Bottom w0.396: v1(161.69,98.3) v1(61.52,98.3)
/H1-30: length 402
  Top w0.323: Module 1.H1_30 54.57,230.86 54.57,127.07 Module 2.H1_30 55.61,125.12 54.57,124.07 54.57,123.04 60.89,116.72 v1(60.89,97.66) ; J6.8 161.22,97.5 v1(161.06,97.66) 161.06,116.72 154.74,123.04 154.74,124.07 155.78,125.12 Module 3.H1_30 154.74,127.07 154.74,230.86 Module 4.H1_30
  Bottom w0.396: v1(60.89,97.66) v1(161.06,97.66)
/H1-31: length 388
  Top w0.323: 58.16,122.94 62.79,118.31 v1(62.79,99.57) ; v1(162.96,99.57) 162.96,118.31 158.32,122.94 ; Module 3.H1_31 158.32,124.48 159.37,125.52 159.37,131.61 158.32,132.65 158.32,229.37 ; Module 2.H1_31 58.16,124.48 59.2,125.52 59.2,131.61 58.16,132.65 58.16,229.37
  Top w0.37: J6.11 163.53,99 v1(162.96,99.57)
  Bottom w0.396: v1(62.79,99.57) v1(162.96,99.57)
/H1-32: length 397.2
  Top w0.323: Module 1.H1_32 57.11,230.86 57.11,127.07 Module 2.H1_32 58.16,125.12 57.11,124.07 57.11,123.04 62.16,117.99 v1(62.16,98.94) ; J6.10 162.76,98.5 v1(162.32,98.94) 162.32,117.99 157.28,123.04 157.28,124.07 158.32,125.12 Module 3.H1_32 157.28,127.07 157.28,230.86 Module 4.H1_32
  Bottom w0.323: v1(62.16,98.94) v1(162.32,98.94)
/H1-35: length 379.6
  Top w0.323: 163.41,229.37 163.41,132.65 164.45,131.61 164.45,125.52 163.41,124.48 Module 3.H1_35 163.41,122.86 164.18,122.08 164.18,120.05 165.5,118.73 v1(165.5,102.11) ; v1(65.33,102.11) 65.33,118.73 64.01,120.05 64.01,122.08 63.23,122.86 Module 2.H1_35 63.23,124.48 64.28,125.52 64.28,131.61 63.23,132.65 63.23,229.37
  Top w0.37: J6.15 185.79,101 185.79,101 166.61,101 v1(165.5,102.11)
  Bottom w0.396: v1(65.33,102.11) v1(165.5,102.11)
/H1-36: length 389.1
  Top w0.323: v1(164.23,100.84) 164.23,118.52 162.36,120.38 162.36,124.07 163.41,125.12 Module 3.H1_36 ; v1(64.06,100.84) 64.06,118.52 62.19,120.38 62.19,124.07 63.23,125.12 Module 2.H1_36
  Top w0.37: v1(164.23,100.84) 165.07,100 186.47,100 186.47,100 J6.13
  Bottom w0.323: Module 1.H1_36 64.28,230.86 64.28,127.07 Module 2.H1_36 ; Module 3.H1_36 164.45,127.07 164.45,230.86 Module 4.H1_36
  Bottom w0.396: v1(64.06,100.84) v1(164.23,100.84)
/H1-37: length 372.2
  Top w0.323: 165.94,229.37 165.94,132.65 166.99,131.61 166.99,125.52 165.94,124.48 Module 3.H1_37 165.94,122.86 166.76,122.04 166.76,120.43 168.04,119.15 v1(168.04,104.65) ; 65.78,229.37 65.78,132.65 66.82,131.61 66.82,125.52 65.78,124.48 Module 2.H1_37 65.78,122.86 66.59,122.04 66.59,120.43 67.87,119.15 v1(67.87,104.65)
  Top w0.37: J6.19 169.69,103 v1(168.04,104.65)
  Bottom w0.396: v1(67.87,104.65) v1(168.04,104.65)
/H1-38: length 381.7
  Top w0.323: v1(166.77,103.38) 166.77,118.94 165.5,120.21 165.5,122.37 164.9,122.97 164.9,124.07 165.94,125.12 Module 3.H1_38 ; Module 2.H1_38 65.78,125.12 64.73,124.07 64.73,122.97 65.33,122.37 65.33,120.21 66.6,118.94 v1(66.6,103.38)
  Top w0.37: J6.17 168.15,102 v1(166.77,103.38)
  Bottom w0.323: Module 1.H1_38 66.82,230.86 66.82,127.07 Module 2.H1_38 ; Module 3.H1_38 166.99,127.07 166.99,230.86 Module 4.H1_38
  Bottom w0.396: v1(66.6,103.38) v1(166.77,103.38)
/H1-39: length 364.8
  Top w0.323: 168.49,229.37 168.49,132.65 169.53,131.61 169.53,125.52 168.49,124.48 Module 3.H1_39 168.49,122.86 169.26,122.08 169.26,120.92 170.58,119.61 v1(170.58,107.19) ; v1(70.41,107.19) 70.41,119.61 69.09,120.92 69.09,122.08 68.31,122.86 Module 2.H1_39 68.31,124.48 69.36,125.52 69.36,131.61 68.31,132.65 68.31,229.37
  Top w0.37: J6.23 172.77,105 v1(170.58,107.19)
  Bottom w0.396: v1(70.41,107.19) v1(170.58,107.19)
/H1-40: length 374.3
  Top w0.323: Module 3.H1_40 168.49,125.12 167.44,124.07 167.44,122.63 168.04,122.03 168.04,120.67 169.31,119.4 v1(169.31,105.92) ; v1(69.14,105.92) 69.14,119.4 67.87,120.67 67.87,122.03 67.27,122.63 67.27,124.07 68.31,125.12 Module 2.H1_40
  Top w0.37: J6.21 186.49,104 186.49,104 171.23,104 v1(169.31,105.92)
  Bottom w0.323: Module 1.H1_40 69.36,230.86 69.36,127.07 Module 2.H1_40 ; Module 3.H1_40 169.53,127.07 169.53,230.86 Module 4.H1_40
  Bottom w0.396: v1(69.14,105.92) v1(169.31,105.92)
